# Altium PCB FMC_SDR_XFE.PcbDoc (part 3 of 4)
Units mm, origin at the board's own origin, x right, y up, seen from the top; angles counter-clockwise.
Board outline 84 x 69 mm, 8 copper layers (Top, Int1 [GND], Int2 [shielded signals], Int3 [GND], Int4 [PWR], Int5 [signals], Int6 [PWR], Bottom), stack 1.579 mm thick; 430 components, 195 nets, 1289 pads, 1371 vias.
Unrouted connection lines stored in the file: 1.
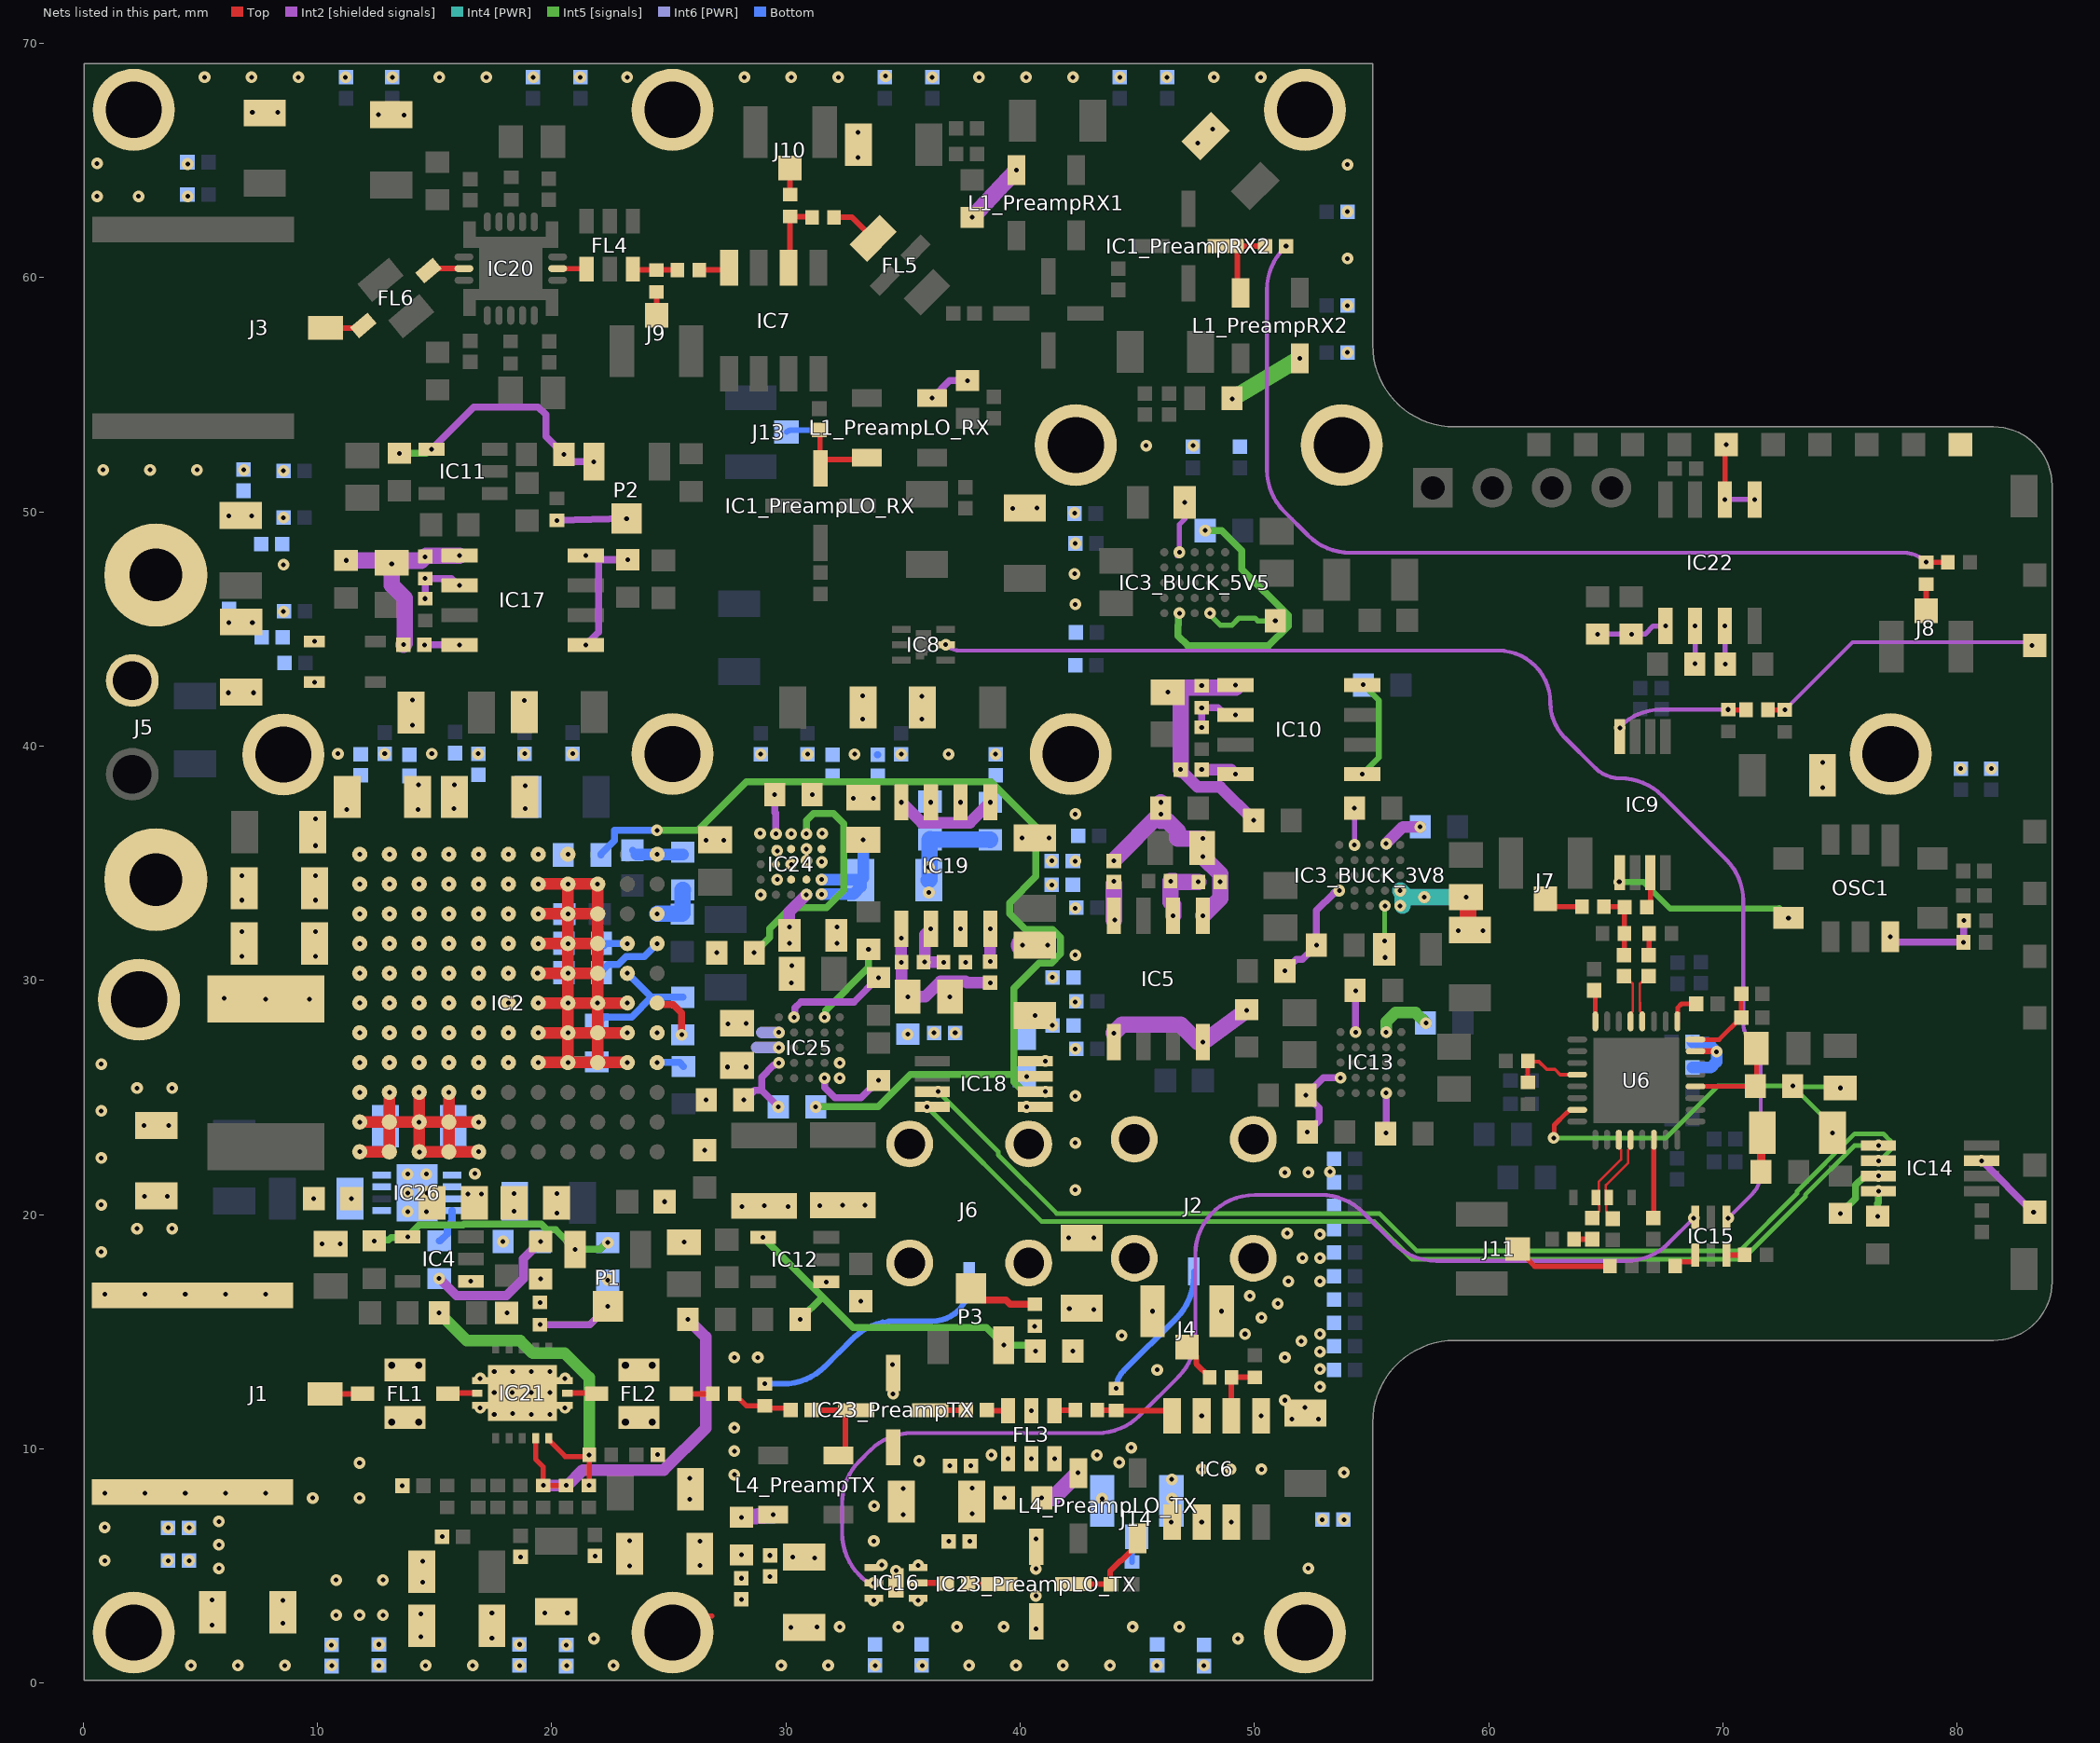
[diagram p9: the nets of this part, all layers, seen from the top]

## Via types
v1: diameter 0.5, hole 0.2, Top to Bottom, tented both sides, 1305 vias
v2: diameter 0.5/0.5/0.5/0.5/0.5/0.5/0.5/0.5 (per signal layer), hole 0.2, Top to Bottom, tented both sides, 38 vias
v3: diameter 0.5/0.5/0.5/0.5/0.5/0.5/0.5/0.5 (per signal layer), hole 0.2, Top to Bottom, 14 vias
v4: diameter 0.6, hole 0.3, Top to Bottom, tented both sides, 14 vias

## Nets (pads, with @x,y where several pads share a name; then routed paths per layer and width w, separated by ;. In a path a pad name is that pad's centre, name@x,y a point inside that pad or via, vN(x,y) a via of type N, cw(c..) or ccw(c..) an arc to the next point about the centre after c; other vN are vias at no path point) (continued)
NetC40_BUCK_3V8_2: C40_BUCK_3V8.2 IC3_BUCK_3V8.E1 IC3_BUCK_3V8.E2 R98.1 | length 4.9
  Top w0.7: v1(59.038,33.55) 59.119,33.469 59.119,32.231 R98.1@59.2,32.15
  Int4 [PWR] w0.7: v1(56.224,33.83) v1@56.324,33.73 ; v1@56.324,33.18 v1@56.324,33.73 ; v1(59.038,33.55) v1(57.248,33.55) 56.503,33.55 v1@56.324,33.73
  other v1: 58.7,32.125 59.75,32.125 56.224,33.18
NetC45_2: C45.2 R74.2 | length 0.6
  Top w0.24: R74.2@63.645,18.95 C45.2@64.197,18.95
NetC46_1: C46.1 U6.14 | length 3.4
  Top w0.22: C46.1@67.025,19.85 67.049,19.874 67.049,23.191 U6.14@67.055,23.197
NetC47_1: C47.1 R1.2 R72.2 R73.2 | length 3
  Top w0.22: R1.2@64.918,33.147 64.929,33.136 65.794,33.136 R72.2@65.805,33.125 65.8,33.12 65.8,32.005 R73.2@65.795,32 65.785,31.99 65.785,31.085 C47.1@65.775,31.075
NetC48_2: C48.2 IC26.5 IC26.7 IC26.8 R108.1 R112.2
  other v2: 11.45,20.675
NetC49_1: C49.1 R75.2 | length 0.9
  Top w0.22: C49.1@66.825,31.075 66.84,31.09 66.84,31.985 R75.2@66.855,32
NetC50_2: C50.2 C53.2 IC26.1 IC26.2 IC26.3 R108.2 R110.2 R114.1 | length 0.5
  Top w0.25: v2(16.425,20.875) 16.425,20.775 C50.2@16.7,20.5
  other v2: 17.925,18.85 18.4,20.146 17,20.875 18.4,20.896 16.725,21.75
NetC68_2: C68.2 C69.2 IC5.1 R83.1 R84.2 | length 9.5
  Top w0.22: C69.2@43.93,35.075 43.949,35.094 v1(43.999,35.094)
  Int2 [shielded signals] w0.7: v1@44.045,35.18 45.964,37.1 v1(46,37.1) v1(46,37.6) ; 46,36.8 46.286,36.8 46.725,36.361 46.725,36.05 v1(47.804,36.05) 47.8,36.046 v1(47.8,35.275) 48.544,34.531 v1(48.544,34.205) 48.544,33.499 v1(47.804,32.759)
NetC69_1: C69.1 IC5.4 | length 1.6
  Int2 [shielded signals] w0.7: v1@43.999,32.575 v1@43.999,34.125
  other v1: 44.03,32.579 44.005,34.229
NetC70_2: C70.2 C71.2 IC10.1 R86.2 R115.1 | length 10.5
  Int2 [shielded signals] w0.5: v1(46.85,39) 46.85,38.981 47.581,38.25 48.543,38.25 v1(49.968,36.825)
  Int2 [shielded signals] w0.7: v1(46.3,42.3) 46.534,42.3 46.684,42.45 46.85,42.5 ; v1(46.85,39) 46.85,42.5 ; v1@49.2,42.5 46.85,42.5
  other v1: 47.75,42.575 49.2,42.605
NetC71_1: C71.1 IC10.4 | length 1.5
  Int2 [shielded signals] w0.5: v1(47.75,39) 48.995,39 v1(49.2,38.795)
NetC73_2: C73.2 C74.2 IC17.1 R90.1 R93.2 | length 10.6
  Top w0.357: C73.2@13.072,47.925 C73.2@13.173,47.824
  Top w0.5: v1(13.173,47.777) C73.2@13.173,47.824 C73.2@13.431,48.081 ; C74.2@13.668,44.321 v1(13.672,44.325) ; v1(14.597,48.081) R93.2@14.597,48.094 ; IC17.1@16.009,48.081 v1(16.059,48.131)
  Int2 [shielded signals] w0.7: v1(11.225,47.925) v1@14.441,47.925 ; v1(13.672,44.325) 13.725,44.378 13.725,46.311 13.173,46.862 v1(13.173,47.777) 13.3,47.904 14.42,47.904 v1@14.441,47.925 ; v1(16.059,48.131) 14.647,48.131 v1(14.597,48.081) v1@14.441,47.925
NetC74_1: C74.1 IC17.4 | length 1.5
  Int2 [shielded signals] w0.3: v1(14.568,44.321) v1(16.059,44.321)
NetC76_2: C76.2 C77.2 IC19.1 R92.1 R94.2 | length 6.5
  Top w0.5: v1(34.93,30.775) R94.2@34.963,30.807
  Int2 [shielded signals] w0.5: v1(34.925,31.8) 34.925,30.78 v1(34.93,30.775) 34.93,29.57 v1(35.2,29.3) 35.948,29.3 36.598,29.95 37.669,29.95 37.719,29.9 v1(38.725,29.9)
NetC77_1: C77.1 IC19.4 | length 1.4
  Int2 [shielded signals] w0.5: v1(38.725,30.8) 38.725,32.195 v1(38.73,32.2)
NetC81_PreampLO_TX_1: C81_PreampLO_TX.1 IC23_PreampLO_TX.3 L4_PreampLO_TX.1 | length 4
  Top w0.24: IC23_PreampLO_TX.3@42.275,4.225 43.845,4.225 43.845,4.792 44.282,5.229 44.323,5.229 45.02,5.926 L4_PreampLO_TX.1@45.02,6.181
NetC81_PreampTX_1: C81_PreampTX.1 IC23_PreampTX.3 L4_PreampTX.1 | length 3.8
  Top w0.24: C81_PreampTX.1@31.322,11.65 IC23_PreampTX.3@32.724,11.65 ; L4_PreampTX.1@32.24,9.725 32.279,9.725 32.539,9.985 32.539,11.465 IC23_PreampTX.3@32.724,11.65 ; IC23_PreampTX.3@32.99,11.65 IC23_PreampTX.3@32.724,11.65
NetC81_PreampTX_2: C81_PreampTX.2 R7.2 R8.2 | length 2.4
  Top w0.22: R8.2@27.82,12.35 27.82,12.33 28.32,11.83 R7.2@29.1,11.83 29.19,11.74 C81_PreampTX.2@30,11.74
NetC82_PreampLO_TX_1: C82_PreampLO_TX.1 IC16.5 | length 1.1
  Top w0.22: C82_PreampLO_TX.1@36.724,4.275 C82_PreampLO_TX.1@36.733,4.266
  Top w0.26: IC16.5@35.65,4.275 C82_PreampLO_TX.1@36.724,4.275
NetC82_PreampLO_TX_2: C82_PreampLO_TX.2 IC23_PreampLO_TX.1 | length 1.3
  Top w0.24: C82_PreampLO_TX.2@37.778,4.25 IC23_PreampLO_TX.1@39.105,4.225
NetC82_PreampTX_1: C82_PreampTX.1 FL3.3 | length 0.9
  Top w0.24: C82_PreampTX.1@38.575,11.65 38.575,11.625 FL3.3@39.485,11.625
NetC82_PreampTX_2: C82_PreampTX.2 IC23_PreampTX.1 | length 1.5
  Top w0.24: IC23_PreampTX.1@36.16,11.65 C82_PreampTX.2@37.675,11.65
NetC87_1: C87.1 IC1_PreampRX2.3 L1_PreampRX2.1 | length 3.4
  Top w0.22: IC1_PreampRX2.3@48.768,61.342 49.078,61.342 IC1_PreampRX2.3@49.273,61.147 ; L1_PreampRX2.1@49.273,59.476 L1_PreampRX2.1@49.405,59.344 ; C87.1@50.418,61.342 C87.1@50.43,61.342
  Top w0.24: L1_PreampRX2.1@49.273,59.476 IC1_PreampRX2.3@49.273,61.147 ; IC1_PreampRX2.3@49.468,61.342 C87.1@50.418,61.342
NetC88_1: C88.1 IC1_PreampLO_RX.3 L1_PreampLO_RX.1 | length 4.1
  Top w0.22: C88.1@31.425,53.48 31.45,53.455 31.45,51.871 IC1_PreampLO_RX.3@31.476,51.846 31.476,52.229 IC1_PreampLO_RX.3@31.452,52.253 ; L1_PreampLO_RX.1@33.372,52.229 L1_PreampLO_RX.1@33.459,52.316
  Top w0.24: IC1_PreampLO_RX.3@31.476,52.229 L1_PreampLO_RX.1@33.372,52.229
NetC91_2: C91.2 IC24.E1 IC24.E2 R80.1 | length 5.4
  Bottom w0.5: v1(31.525,33.675) 32.875,33.675 33.2,34 R80.1@33.2,34.275 33.175,34.3 v1(31.525,34.3) ; R80.1@33.3,34.375 v1(33.3,36)
NetC109_2: C109.2 C113.2 R40.2 U6.7 | length 17.6
  Top w0.2: v1(62.775,23.275) 62.803,23.303 62.803,23.825 63.325,24.347 63.342,24.347 63.467,24.472 U6.7@63.78,24.472
  Int5 [signals] w0.2: v1(62.775,23.275) 67.575,23.275 69.785,25.485 v1(72.98,25.485) v1@73.02,25.445 ; v1(74.682,23.491) 74.293,23.88 74.293,24.172 v1@73.02,25.445 ; v1(75.007,25.404) 74.967,25.445 v1@73.02,25.445
NetC113_1: C113.1 R39.2 | length 1.7
  Top w0.357: R39.2@71.627,21.822 71.627,23.357 cw(c71.816,23.357) C113.1@71.682,23.491
NetC114_2: C114.2 C115.2 U6.23 | length 3.7
  Top w0.2: v1(69.725,26.95) v1@69.725,26.972
  Top w0.25: U6.23@68.83,26.972 v1@69.725,26.972
  Bottom w0.5: C114.2@68.7,26.275 69.48,26.275 69.725,26.52 v1(69.725,26.95) 69.336,27.339 68.736,27.339 C115.2@68.7,27.375
NetC116_1: C116.1 U6.25 | length 1.5
  Top w0.2: U6.25@68.055,28.247 68.065,28.256 68.065,28.832 68.23,28.997 C116.1@68.865,28.997
NetC117_2: C117.2 R40.1 U6.20 | length 4.2
  Top w0.2: U6.20@68.83,25.472 71.366,25.472 71.426,25.532 C117.2@71.426,27.092
NetC120_2: C120.2 C121.2 U6.24 | length 3.9
  Top w0.2: U6.24@68.83,27.472 69.838,27.472 C120.2@70.782,28.416 ; C120.2@70.992,28.626 C120.2@70.782,28.416 ; C121.2@70.992,29.212 C121.2@70.782,29.422 C120.2@70.782,28.416
NetC122_1: C122.1 U6.32 | length 1.3
  Top w0.2: C122.1@64.505,29.572 64.555,29.522 U6.32@64.555,28.247
NetFL1_1: FL1.1 IC21.10 | length 1.3
  Top w0.22: FL1.1@15.563,12.352 FL1.1@15.588,12.377
  Top w0.24: FL1.1@15.588,12.377 IC21.10@16.823,12.377
NetFL1_3: FL1.3 J1.1 | length 1.6
  Top w0.24: J1.1@10.325,12.35 10.327,12.352 FL1.3@11.933,12.352
NetFL2_1: FL2.1 R8.1 | length 1.3
  Top w0.24: FL2.1@25.54,12.352 R8.1@26.879,12.351
NetFL2_3: FL2.3 IC21.2 | length 1.2
  Top w0.22: FL2.3@21.885,12.377 FL2.3@21.91,12.352
  Top w0.24: IC21.2@20.673,12.377 FL2.3@21.885,12.377
NetFL3_1: FL3.1 R36.1 | length 0.9
  Top w0.22: R36.1@42.295,11.625 ccw(c42.295,11.71) R36.1@42.355,11.65
  Top w0.24: FL3.1@41.465,11.625 41.49,11.65 42.27,11.65 R36.1@42.295,11.625
NetFL4_1: FL4.1 IC20.10 | length 1.3
  Top w0.22: IC20.10@20.256,60.382 FL4.1@21.431,60.382 ; FL4.1@21.431,60.382 cw(c21.431,60.297) FL4.1@21.491,60.357 21.491,60.382 FL4.1@21.431,60.382
NetFL4_3: FL4.3 R55.2 R65.1 | length 1.9
  Top w0.22: FL4.3@23.471,60.327 FL4.3@23.471,60.357
  Top w0.24: FL4.3@23.471,60.327 R55.2@24.481,60.327 R65.1@25.361,60.327
NetFL5_1: FL5.1 R66.2 | length 2
  Top w0.24: R66.2@32.06,62.572 32.828,62.572 FL5.1@33.726,61.674
NetFL6_1: FL6.1 J3.1 | length 1.7
  Top w0.24: J3.1@10.35,57.85 10.364,57.836 11.838,57.836 FL6.1@11.96,57.958
NetFL6_3: FL6.3 IC20.2 | length 1.5
  Top w0.22: FL6.3@14.74,60.292 cw(c14.959,60.073) FL6.3@14.959,60.382
  Top w0.24: FL6.3@14.959,60.382 IC20.2@16.256,60.382
NetIC2_D1: IC2.D1 R12.1 | length 1.2
  Bottom w0.3: v1(24.505,26.49) 25.46,26.49 R12.1@25.625,26.325
NetIC2_F1: IC2.F1 R17.1 | length 2.2
  Top w0.3: IC2.F1@24.505,29.03 24.572,28.963 25.187,28.963 25.55,28.6 v1(25.55,27.675)
  Bottom w0.3: v1(25.55,27.675) R17.1@25.6,27.675
NetIC2_G2: IC2.G2 R17.2 R18.2 | length 5.6
  Bottom w0.3: R18.2@21.925,28.125 22.225,28.425 23.41,28.425 24.26,29.275 ; v1(23.235,30.3) 24.26,29.275 ; R17.2@25.6,29.275 24.26,29.275
NetIC2_H1: IC2.H1 R14.2 | length 2.9
  Bottom w0.3: R14.2@22.125,30.325 22.125,30.375 22.425,30.675 22.832,30.675 23.177,31.02 23.955,31.02 v1(24.505,31.57)
NetIC2_H2: IC2.H2 R16.2 | length 1.2
  Bottom w0.3: R16.2@22.125,31.575 22.221,31.479 22.313,31.57 v1(23.235,31.57)
NetIC2_J1: IC2.J1 R13.1 R15.2 | length 2.1
  Bottom w0.7: v1(24.505,32.84) 25.56,32.84 25.588,32.867 25.588,33.852 R15.2@25.6,33.865
NetIC2_L4: IC2.L4 R150.2
  other v1: 20.695,35.38
NetIC3_BUCK_3V8_A2: IC3_BUCK_3V8.A2 R20.1 R28.2 | length 4.6
  Int2 [shielded signals] w0.3: v1(51.3,30.4) 51.795,30.895 52.045,30.895 v1(52.65,31.5) 52.65,32.984 v1@53.396,33.73
  Int4 [PWR] w0.3: v1@53.396,33.73 53.469,33.73 53.569,33.83 v1(53.624,33.83)
NetIC3_BUCK_3V8_B5: IC3_BUCK_3V8.B5 R51_BUCK_3V8.2 | length 1.6
  Top w0.22: v1(54.271,37.35) R51_BUCK_3V8.2@54.274,37.348
  Int2 [shielded signals] w0.22: v1(54.271,37.35) v1(54.271,37.35) 54.272,35.781 v1(54.274,35.78)
NetIC3_BUCK_3V8_D1: IC3_BUCK_3V8.D1 R19.1 | length 2.3
  Top w0.22: R19.1@55.538,31.325 R19.1@55.574,31.36
  Int5 [signals] w0.2: v1@55.562,30.987 v1@55.562,33.168
  Int4 [PWR] w0.2: v1(55.55,31.675) v1@55.562,31.663 ; v1@55.562,30.987 v1(55.574,30.975) ; v1@55.562,33.168 v1(55.574,33.18)
NetIC3_BUCK_3V8_D5: IC3_BUCK_3V8.D5 R117_BUCK_3V8.2 | length 1.7
  Int2 [shielded signals] w0.5: v1(55.625,35.834) 56.341,36.55 v3(57.075,36.55)
NetIC3_BUCK_5V5_B5: IC3_BUCK_5V5.B5 R51_BUCK_5V5.2 | length 3.2
  Top w0.22: v1(50.893,45.343) R51_BUCK_5V5.2@50.9,45.35
  Int5 [signals] w0.22: v1(48.102,45.673) 48.102,45.602 48.541,45.163 49.045,45.163 49.342,45.46 50.021,45.46 50.138,45.343 v1(50.893,45.343)
NetIC3_BUCK_5V5_D1: IC3_BUCK_5V5.D1 R11.1 | length 2.4
  Int2 [shielded signals] w0.22: v1@46.7,48.133 46.821,48.254 v1(46.802,48.273) 46.802,49.466 47.025,49.688 v1(47.025,50.4)
NetIC3_BUCK_5V5_D5: IC3_BUCK_5V5.D5 R117_BUCK_5V5.2 | length 12.2
  Int5 [signals] w0.3: v3(46.8,45.675) 46.762,45.637 46.762,45.17 46.743,45.151 46.743,44.696 47.163,44.275 50.603,44.275 51.443,45.115 51.443,45.571 49.463,47.551 49.463,48.34 48.603,49.2 v3(47.9,49.2)
NetIC4_4: IC4.4 P1.3 R22.1 R24.2 | length 11.5
  Top w0.3: v1(12.425,18.875) R22.1@12.6,19.05 ; P1.3@20.7,18.85 21,18.55 v1(21,18.515)
  Int5 [signals] w0.3: v1(12.425,18.875) 12.463,18.913 13.039,18.913 13.15,19.025 13.825,19.025 v1(13.85,19.05) 14.349,19.549 16.208,19.549 16.259,19.6 18.119,19.6 18.123,19.596 19.557,19.596 19.804,19.349 20.166,19.349 v1(21,18.515) 22.061,18.515 22.346,18.8 v1(22.4,18.8)
NetIC5_2: IC5.2 R84.1 R85.2 | length 2.8
  Int2 [shielded signals] w0.7: v1(46.534,32.759) 46.534,33.221 46.42,33.335 v1(46.42,34.234) 46.575,34.234 46.546,34.205 v1(47.604,34.205)
NetIC5_5: IC5.5 IC5.8 R70.2 | length 6.6
  Int2 [shielded signals] w0.7: v1(44,27.75) 44.359,28.109 46.844,28.109 47.594,27.359 v1(47.804,27.359) v1(49.675,28.725)
NetIC6_4: IC6.4 R2.2 R36.2 | length 3.3
  Top w0.22: IC6.4@46.245,11.64 IC6.4@46.48,11.405
  Top w0.24: R36.2@43.295,11.65 43.305,11.64 44.09,11.64 R2.2@44.1,11.63 46.235,11.63 IC6.4@46.245,11.64
NetIC7_2: IC7.2 R64.2 R66.1 | length 3.2
  Top w0.22: IC7.2@30.116,60.422 IC7.2@30.175,60.481 ; R64.2@30.175,62.6 R64.2@30.175,62.61 ; R64.2@30.18,62.605 R64.2@30.194,62.591 ; R66.1@31.101,62.591 R66.1@31.12,62.572
  Top w0.24: IC7.2@30.175,60.481 R64.2@30.175,62.6 ; R64.2@30.194,62.591 R66.1@31.101,62.591
NetIC7_4: IC7.4 R65.2 | length 1.3
  Top w0.22: IC7.4@27.481,60.327 IC7.4@27.576,60.422
  Top w0.24: R65.2@26.301,60.327 IC7.4@27.481,60.327
NetIC8_2: IC8.2 IC15.4 | length 54
  Int2 [shielded signals] w0.17: v1(36.825,44.325) ccw(c37.429,44.929) 37.429,44.075 60.407,44.075 cw(c60.407,41.85) 62.632,41.85 ccw(c64.734,41.85) 63.248,40.364 64.544,39.067 ccw(c65.613,40.137) 65.613,38.625 cw(c65.613,36.085) 67.409,37.881 70.152,35.138 cw(c68.428,33.415) 70.866,33.415 ; v1(70.225,19.85) 71.237,20.862 ccw(c70.325,21.775) 71.615,21.775 71.615,26.393 ccw(c70.368,26.393) 71.25,27.275 cw(c72.178,28.203) 70.866,28.203 70.866,33.415 ; 70.863,33.485 cw(c70.009,33.415) 70.866,33.415
NetIC9_1: IC9.1 OSC1.5 | length 7.9
  Int5 [signals] w0.25: v1(65.575,34.2) 66.616,34.2 67.75,33.066 72.396,33.066
  Int5 [signals] w0.3: 72.396,33.066 v1(72.797,32.665)
NetIC9_3: IC9.3 R72.1 | length 1.4
  Top w0.22: R72.1@66.705,33.125 R72.1@66.745,33.125 ; R72.1@66.745,33.19 R72.1@66.745,33.125 ; IC9.3@66.9,34.064 R72.1@66.9,33.28 ; R72.1@66.745,33.125 66.9,33.125 R72.1@66.9,33.28 ; R72.1@66.745,33.125 R72.1@66.9,33.28
NetIC9_8: IC9.8 R3.1 R4.2 | length 5.6
  Top w0.22: v1(70.228,41.558) ccw(c70.255,41.585) 70.255,41.547 R3.1@70.983,41.547
  Int2 [shielded signals] w0.17: v1(65.6,40.775) 65.6,40.825 cw(c67.37,39.055) 67.37,41.558 v1(70.228,41.558)
NetIC10_2: IC10.2 R86.1 R87.2 | length 2.4
  Int2 [shielded signals] w0.3: v1(47.75,40.8) v1(47.75,41.63) 48.45,41.63 48.707,41.373 49.162,41.373 v1(49.2,41.335)
NetIC10_5: IC10.5 IC10.8 R113.2 | length 4.4
  Int5 [signals] w0.25: v1(54.6,38.795) 55.313,39.508 55.313,41.95 v1(54.638,42.625)
NetIC11_4: IC11.4 P2.3 R27.1 R30.2 | length 11.2
  Top w0.357: v1(13.5,52.5) R30.2@13.625,52.375 ; P2.3@21.529,52.45 21.8,52.179 v1(21.8,52.14)
  Int2 [shielded signals] w0.3: v1(14.875,52.675) 16.675,54.475 19.428,54.475 19.75,54.153 19.75,53.225 v1(20.525,52.45) 20.579,52.45 20.889,52.14 v1(21.8,52.14)
  Int5 [signals] w0.3: v1(13.5,52.5) 14.646,52.5 14.821,52.675 v1(14.875,52.675)
NetIC12_4: IC12.4 P3.3 R32.1 R35.2 | length 15.3
  Top w0.3: P3.3@39.235,14.125 39.3,14.19 v1(39.3,14.425)
  Int5 [signals] w0.3: v1(29.025,19.025) 31.574,16.476 ; v1(30.609,15.53) 31.555,16.476 31.574,16.476 ; v1(40.65,14.175) 40.596,14.175 40.346,14.425 v1(39.3,14.425) 38.55,15.175 32.875,15.175 31.574,16.476
NetIC13_A2: IC13.A2 R33.1 R50.2 | length 3.8
  Int2 [shielded signals] w0.3: v1(52.26,23.525) 52.755,24.02 52.755,24.54 v1(52.195,25.1) 52.935,25.84 v1(53.673,25.84)
NetIC13_B5: IC13.B5 R62.2 | length 1.8
  Top w0.1: R62.2@54.3,29.572 v1(54.323,29.549)
  Int2 [shielded signals] w0.3: v1(54.323,27.79) v1(54.323,29.549)
NetIC13_D1: IC13.D1 R60.1 | length 1.7
  Top w0.1: R60.1@55.6,23.453 v1(55.623,23.476)
  Int2 [shielded signals] w0.3: v1(55.623,23.476) v1(55.623,25.19)
NetIC13_D5: IC13.D5 R118.2 | length 2.5
  Int5 [signals] w0.5: v3(55.623,27.79) 55.623,28.227 56.021,28.625 56.875,28.625 v3(57.325,28.175)
NetIC14_7: IC14.7 R133.1 | length 2.6
  Int5 [signals] w0.3: v1(75.022,20.046) 75.662,20.687 75.662,21.262 76.011,21.611 76.601,21.611 v1(76.64,21.649)
NetIC14_8: IC14.8 R132.1 | length 1.5
  Top w0.3: IC14.8@76.565,20.924 v1(76.64,20.999) ; v1(76.599,19.928) R132.1@76.792,19.735
  Int5 [signals] w0.3: v1(76.599,19.928) 76.599,20.474 76.64,20.514 v1(76.64,20.999)
NetIC15_1: IC15.1 R69.2 | length 1.2
  Top w0.22: R69.2@67.97,17.8 68.145,17.975 68.765,17.975 68.765,18.15 68.825,18.21 IC15.1@68.825,18.279
NetIC15_3: IC15.3 R71.2 | length 0.8
  Top w0.24: IC15.3@70.145,18.279 R71.2@70.93,18.279
NetIC15_6: IC15.6 IC16.2 | length 50.8
  Int2 [shielded signals] w0.17: v1@33.725,4.3 v1(33.75,4.275) cw(c33.75,4.955) 33.27,4.474 33.144,4.599 cw(c34.94,6.395) 32.4,6.395 32.4,6.677 32.4,7.689 cw(c34.94,7.689) 33.144,9.485 33.59,9.931 cw(c35.386,8.135) 35.386,10.675 43.3,10.675 ccw(c43.3,13.215) 45.096,11.419 46.76,13.083 ccw(c45.03,14.813) 47.477,14.813 47.477,18.297 cw(c50.017,18.297) 50.017,20.837 52.84,20.837 cw(c52.84,18.297) 54.636,20.093 55.963,18.765 ccw(c57.759,20.562) 57.759,18.022 65.869,18.022 ccw(c65.869,20.562) 67.665,18.765 ; 67.544,18.644 67.665,18.765 ; v1(68.75,19.85) 67.665,18.765
NetIC17_2: IC17.2 R93.1 R96.2 | length 2.6
  Top w0.3: IC17.2@15.983,46.937 v1(16.059,46.861)
  Int2 [shielded signals] w0.3: v1(14.597,46.294) v1(14.597,47.154) 15.712,47.154 16.005,46.861 v1(16.059,46.861)
NetIC17_5: IC17.5 IC17.8 R89.2 | length 5.8
  Int2 [shielded signals] w0.3: v1(21.459,44.321) 22.009,44.871 22.009,47.954 ; v1(21.459,48.131) 22.009,48.131 22.009,47.954 ; v1(23.248,47.954) 22.009,47.954
NetIC18_3: IC18.3 R142.1
  other v1: 40.275,25.9
NetIC19_2: IC19.2 R94.1 R97.2 | length 2.3
  Int2 [shielded signals] w0.5: v1(36.19,32.2) 35.93,31.94 35.93,30.804 35.956,30.779 36.726,30.779 v1(36.73,30.775)
  other v1: 35.93,30.779
NetIC19_5: IC19.5 IC19.8 R91.2 | length 4.5
  Int2 [shielded signals] w0.5: v1(34.92,37.6) 35.795,36.725 37.855,36.725 v1(38.73,37.6)
NetIC22_1: IC22.1 R78.1 R79.2 | length 3.3
  Top w0.22: v1(64.65,44.775) R79.2@64.925,44.775
  Int2 [shielded signals] w0.22: v1(64.65,44.775) v1(66.1,44.775) 66.361,44.775 66.675,44.775 67.025,45.125 v1(67.545,45.125)
NetIC22_2: IC22.2 R76.2 | length 1.6
  Top w0.22: R76.2@68.8,43.5 v1(68.815,43.515)
  Int2 [shielded signals] w0.22: v1(68.815,43.515) v1(68.815,45.125)
NetIC22_3: IC22.3 R77.2 | length 1.7
  Top w0.22: R77.2@70.085,43.515 v1(70.1,43.5)
  Int2 [shielded signals] w0.22: v1(70.085,45.125) 70.093,45.118 70.093,43.507 v1(70.1,43.5)
NetIC24_B5: IC24.B5 R99.2 | length 1.7
  Int2 [shielded signals] w0.3: v1(29.525,37.925) 29.525,37.188 ccw(c29.575,37.188) 29.575,37.138 v1(29.575,36.253)
NetIC24_D1: IC24.D1 R52.1 | length 3.9
  Top w0.3: v1(30.15,31.575) 30.425,31.575 30.15,31.85 R52.1@30.15,31.925 30.15,31.95 30.45,32.25 30.425,32.275 v1(30.15,32.275)
  Int2 [shielded signals] w0.5: v1(30.15,31.575) v1(30.15,32.275) 30.15,32.928 v1(30.875,33.653)
NetIC24_D5: IC24.D5 R119.2 | length 10.5
  Int5 [signals] w0.3: v3(28.65,31.175) 29.305,31.83 29.305,32.208 30.2,33.103 31.731,33.103 32.475,33.847 32.475,35.025 32.475,36.682 32.039,37.118 31.175,37.118 30.875,36.818 v3(30.875,36.253)
NetIC25_A2: IC25.A2 R56.1 R57.2 | length 3.5
  Int2 [shielded signals] w0.3: v1(28.2,24.9) 28.254,24.9 28.663,25.309 28.966,25.309 ; v1(29.675,24.6) 28.966,25.309 ; v1(29.7,26.475) 29.646,26.475 29.546,26.375 29.472,26.375 28.966,25.869 28.966,25.309
NetIC25_B5: IC25.B5 R101.2 | length 4.5
  Int2 [shielded signals] w0.3: v1(30.35,28.425) 30.388,28.463 30.388,28.827 30.636,29.075 32.911,29.075 v1(33.95,30.114)
NetIC25_D1: IC25.D1 R100.1 | length 3.2
  Int2 [shielded signals] w0.3: v1(31.65,25.825) 31.65,25.426 32.096,24.98 33.212,24.98 v1(33.957,25.725)
NetIC25_D5: IC25.D5 R120.2 | length 3.7
  Int5 [signals] w0.3: v3(31.65,28.425) 31.688,28.463 31.688,28.713 33.525,30.55 v3(33.525,31.325)
NetIC26_4: IC26.4 R109.2 | length 1.6
  Bottom w0.3: R109.2@15.2,18.875 15.25,18.875 15.55,19.175 15.55,19.526 15.75,19.726 IC26.4@15.75,20.179
NetJ2_1: J2.1 R2.1 | length 6.2
  Bottom w0.24: v1(44.1,12.575) cw(c45.156,12.575) 44.409,13.321 46.669,15.581 ccw(c44.872,17.377) 47.412,17.377 J2.1@47.412,17.575
NetJ4_1: J4.1 R6.1 | length 1.7
  Top w0.22: J4.1@47.125,14.35 J4.1@47.515,13.96 ; R6.1@48.08,13.05 R6.1@48.08,13.07
  Top w0.24: J4.1@47.515,13.96 47.515,13.635 R6.1@48.08,13.07